# Altium PCB PATHOS_ControllerBoardExp.PcbDoc (part 1 of 4)
Units mm, origin at the board's own origin, x right, y up, seen from the top; angles counter-clockwise.
Board outline 165 x 96 mm, 4 copper layers (Top Layer, Mid-Layer 1, Mid-Layer 2, Bottom Layer), stack 1.642 mm thick; 300 components, 336 nets, 1573 pads, 768 vias.
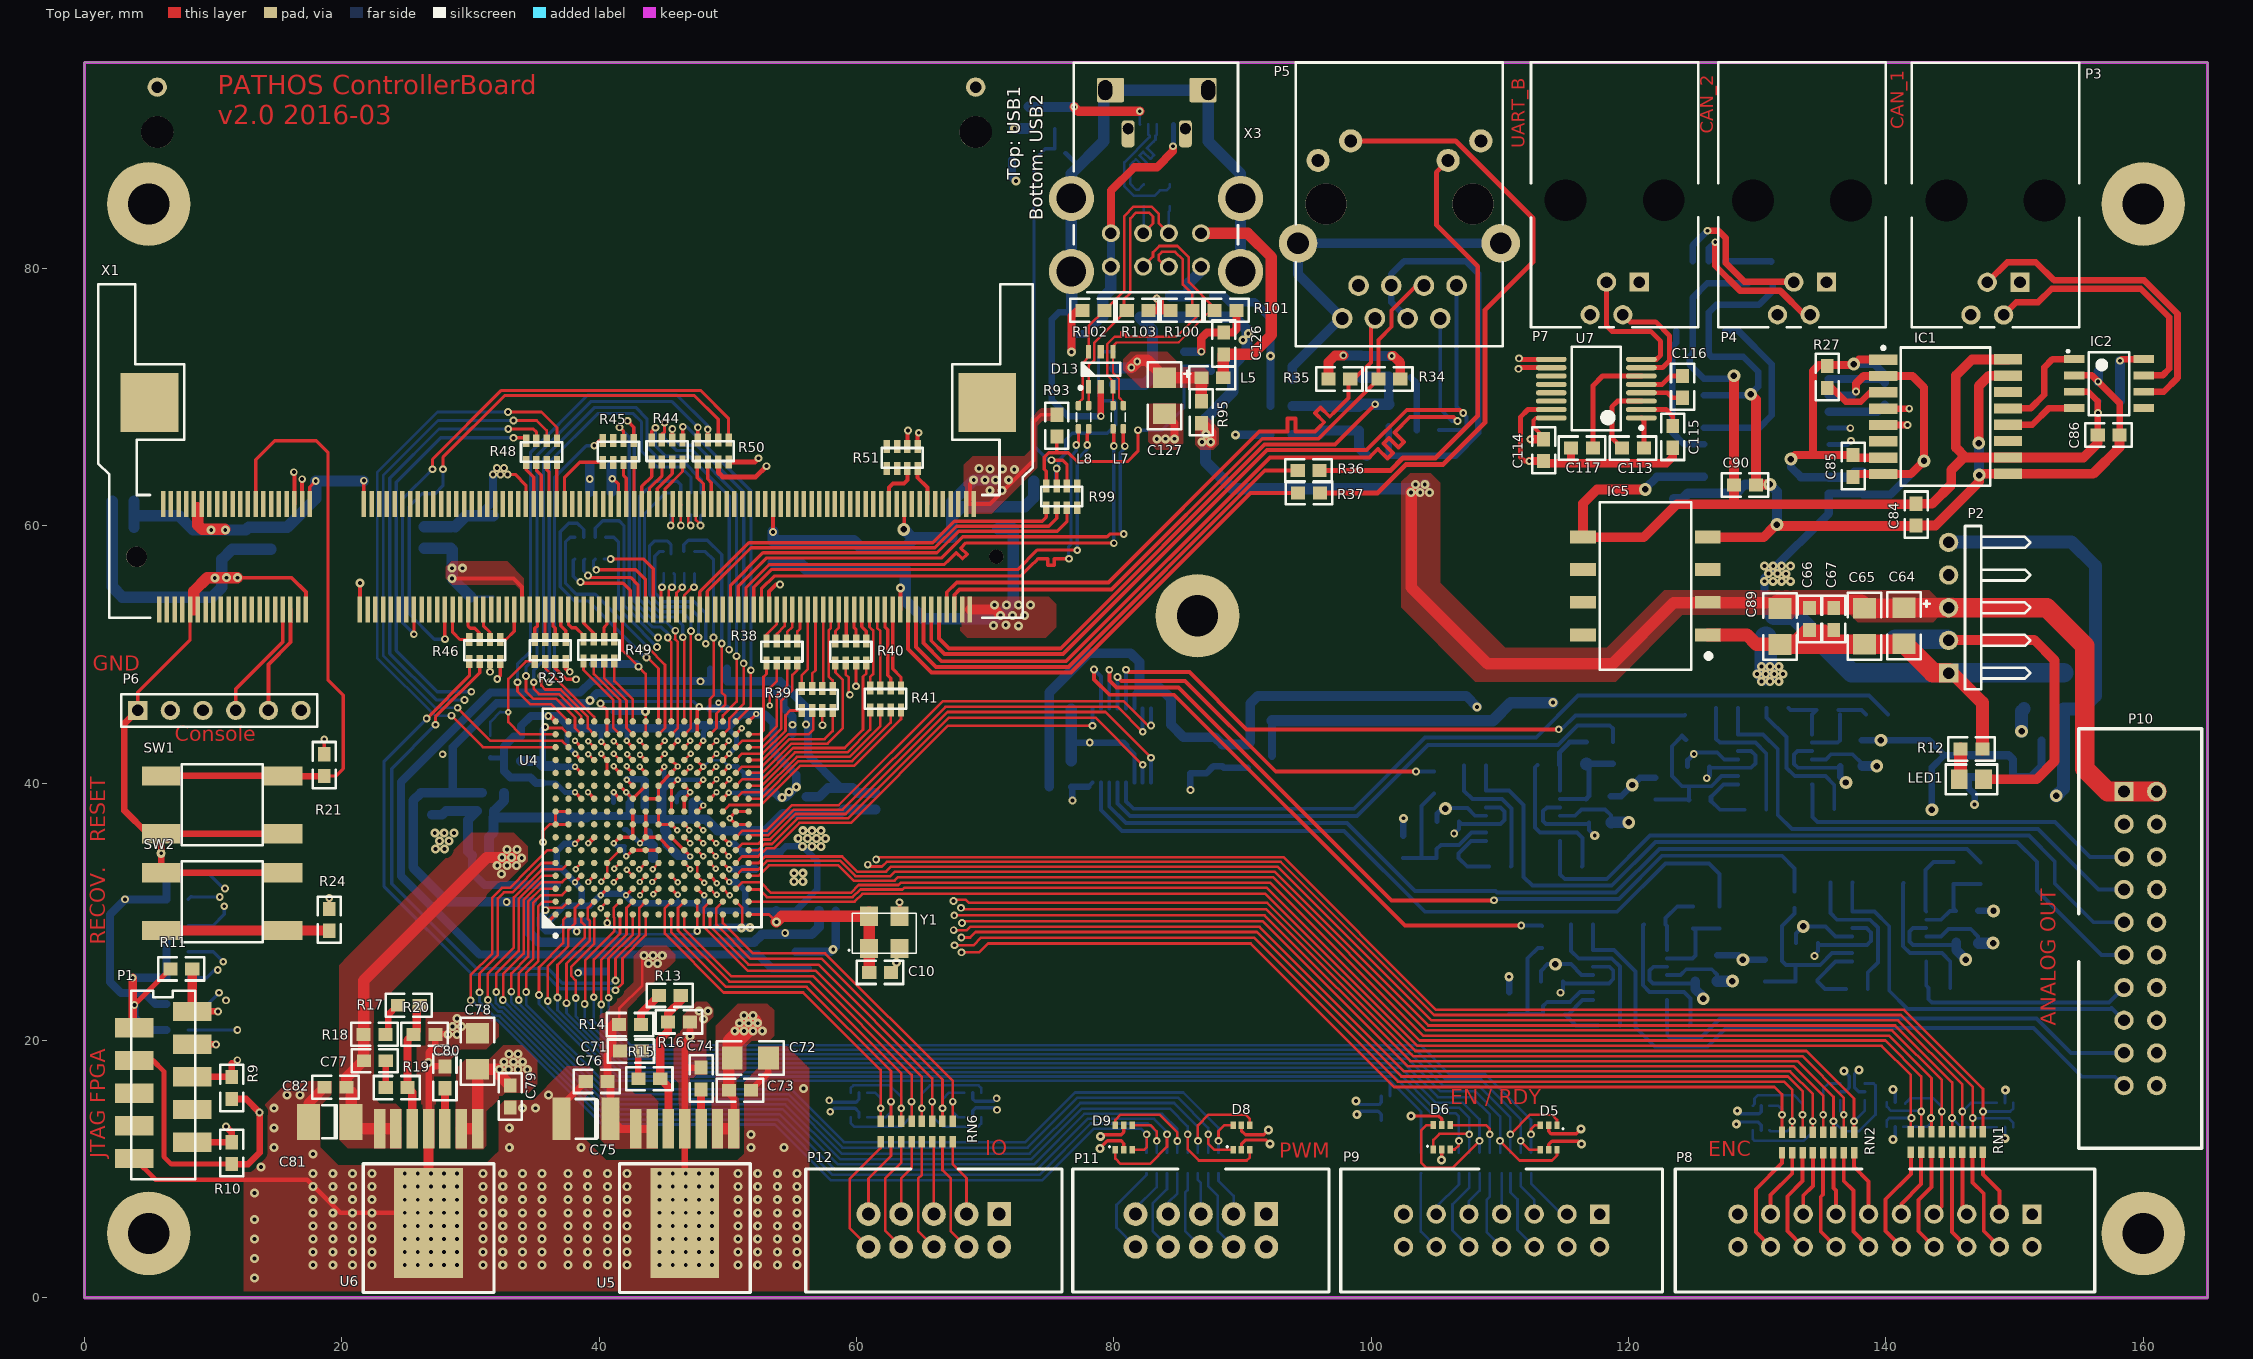
[diagram p0: Top Layer view]
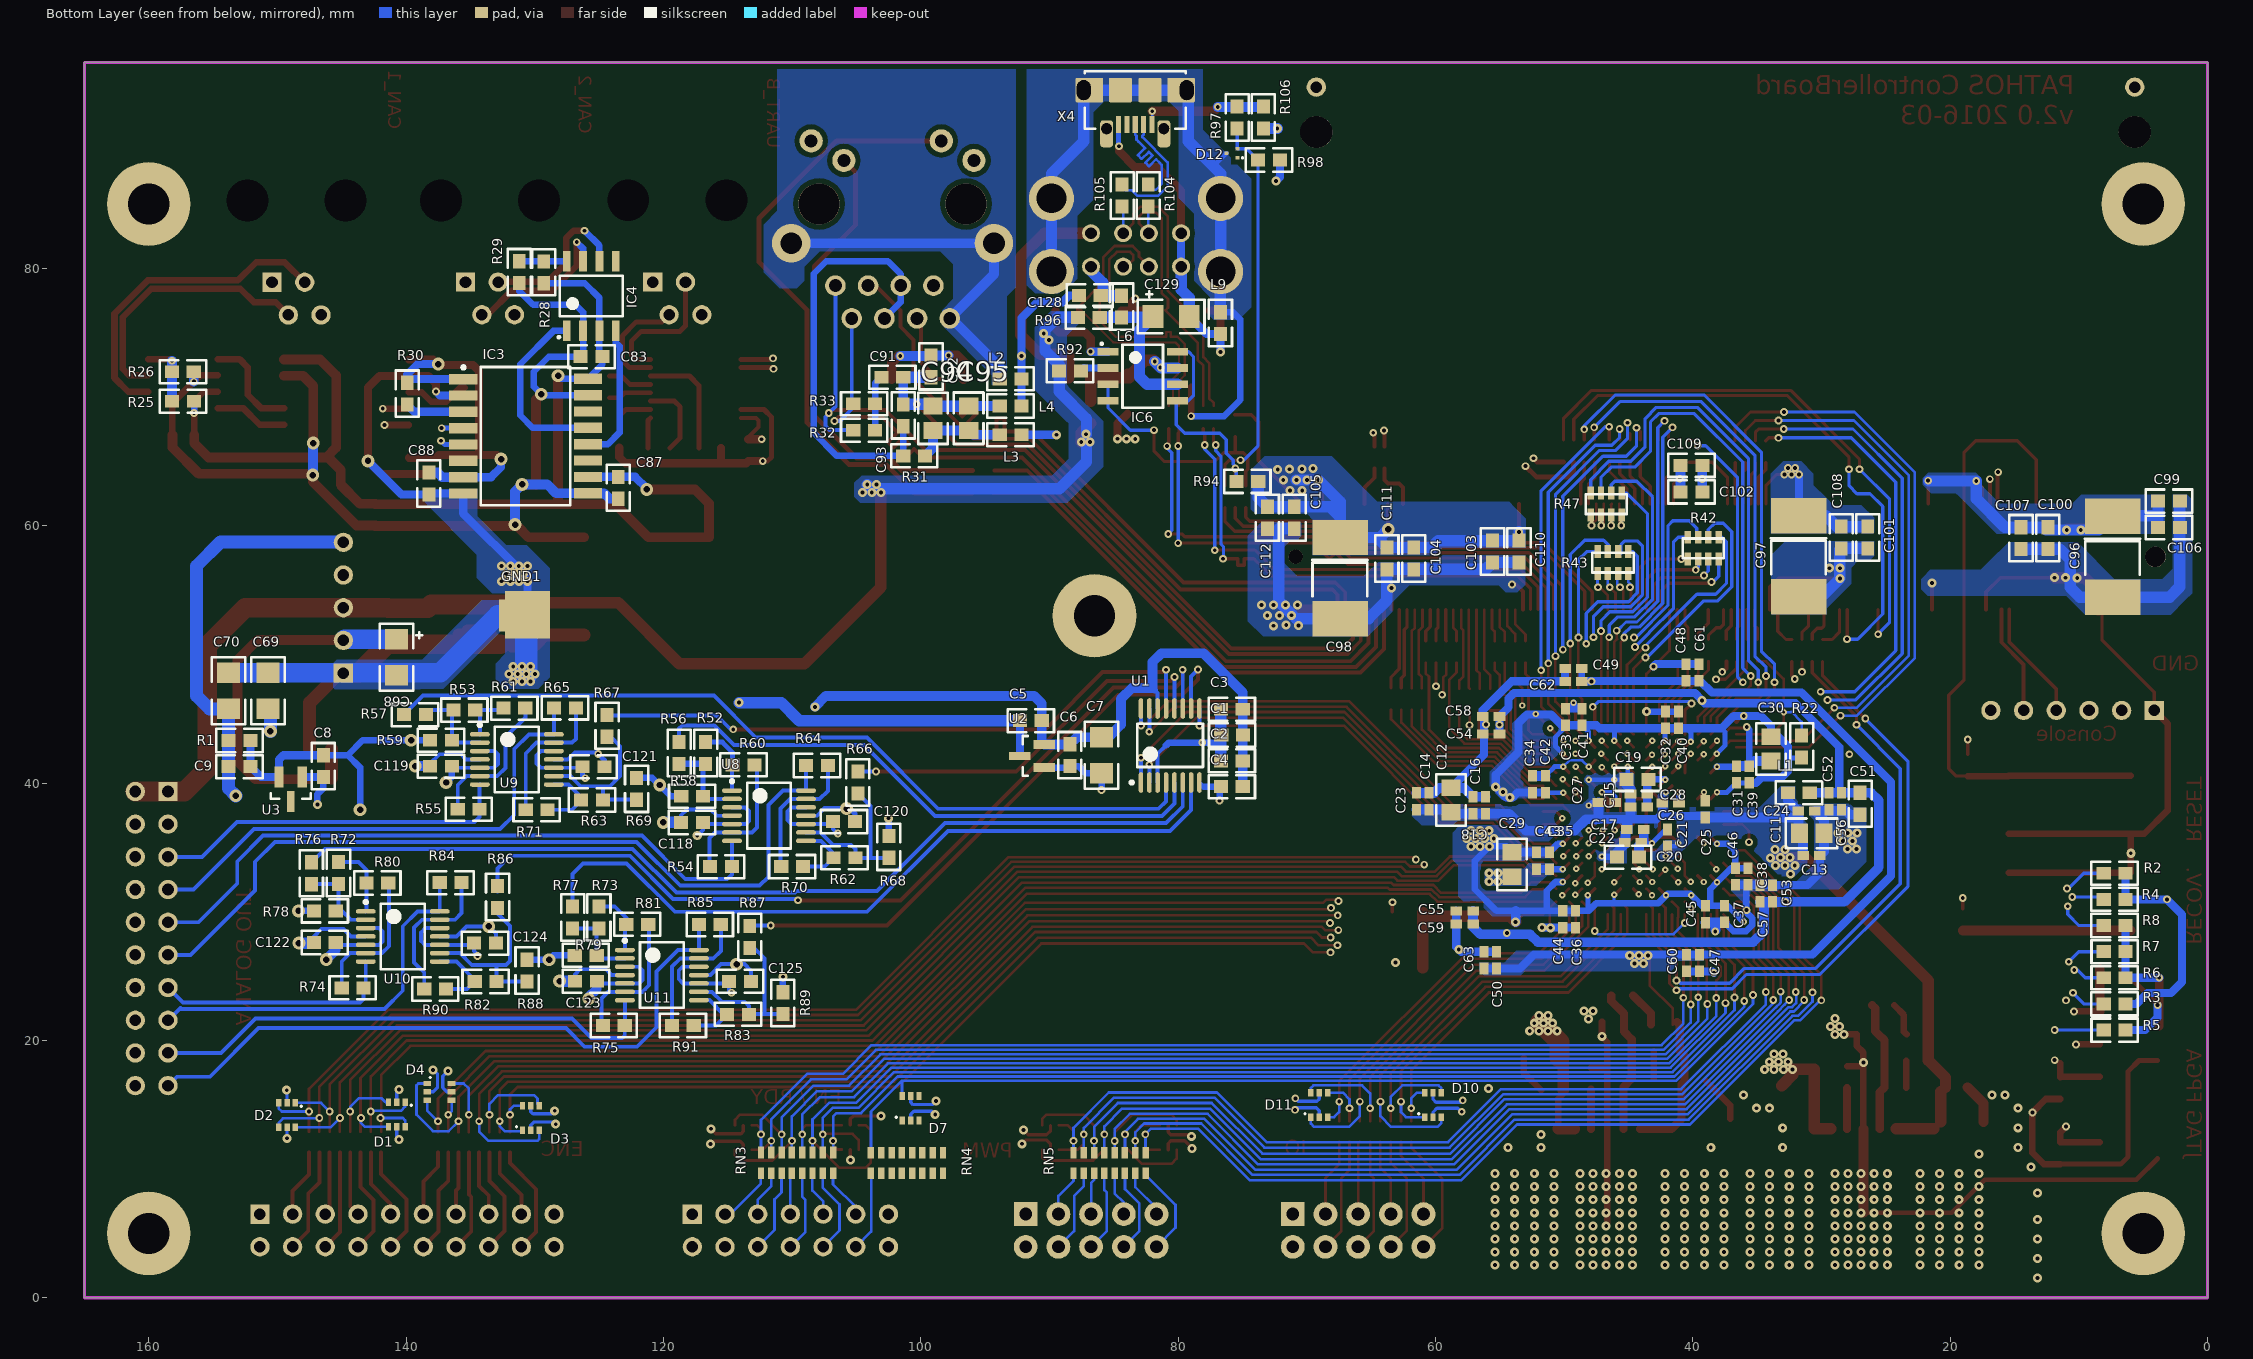
[diagram p1: Bottom Layer view, seen from below]
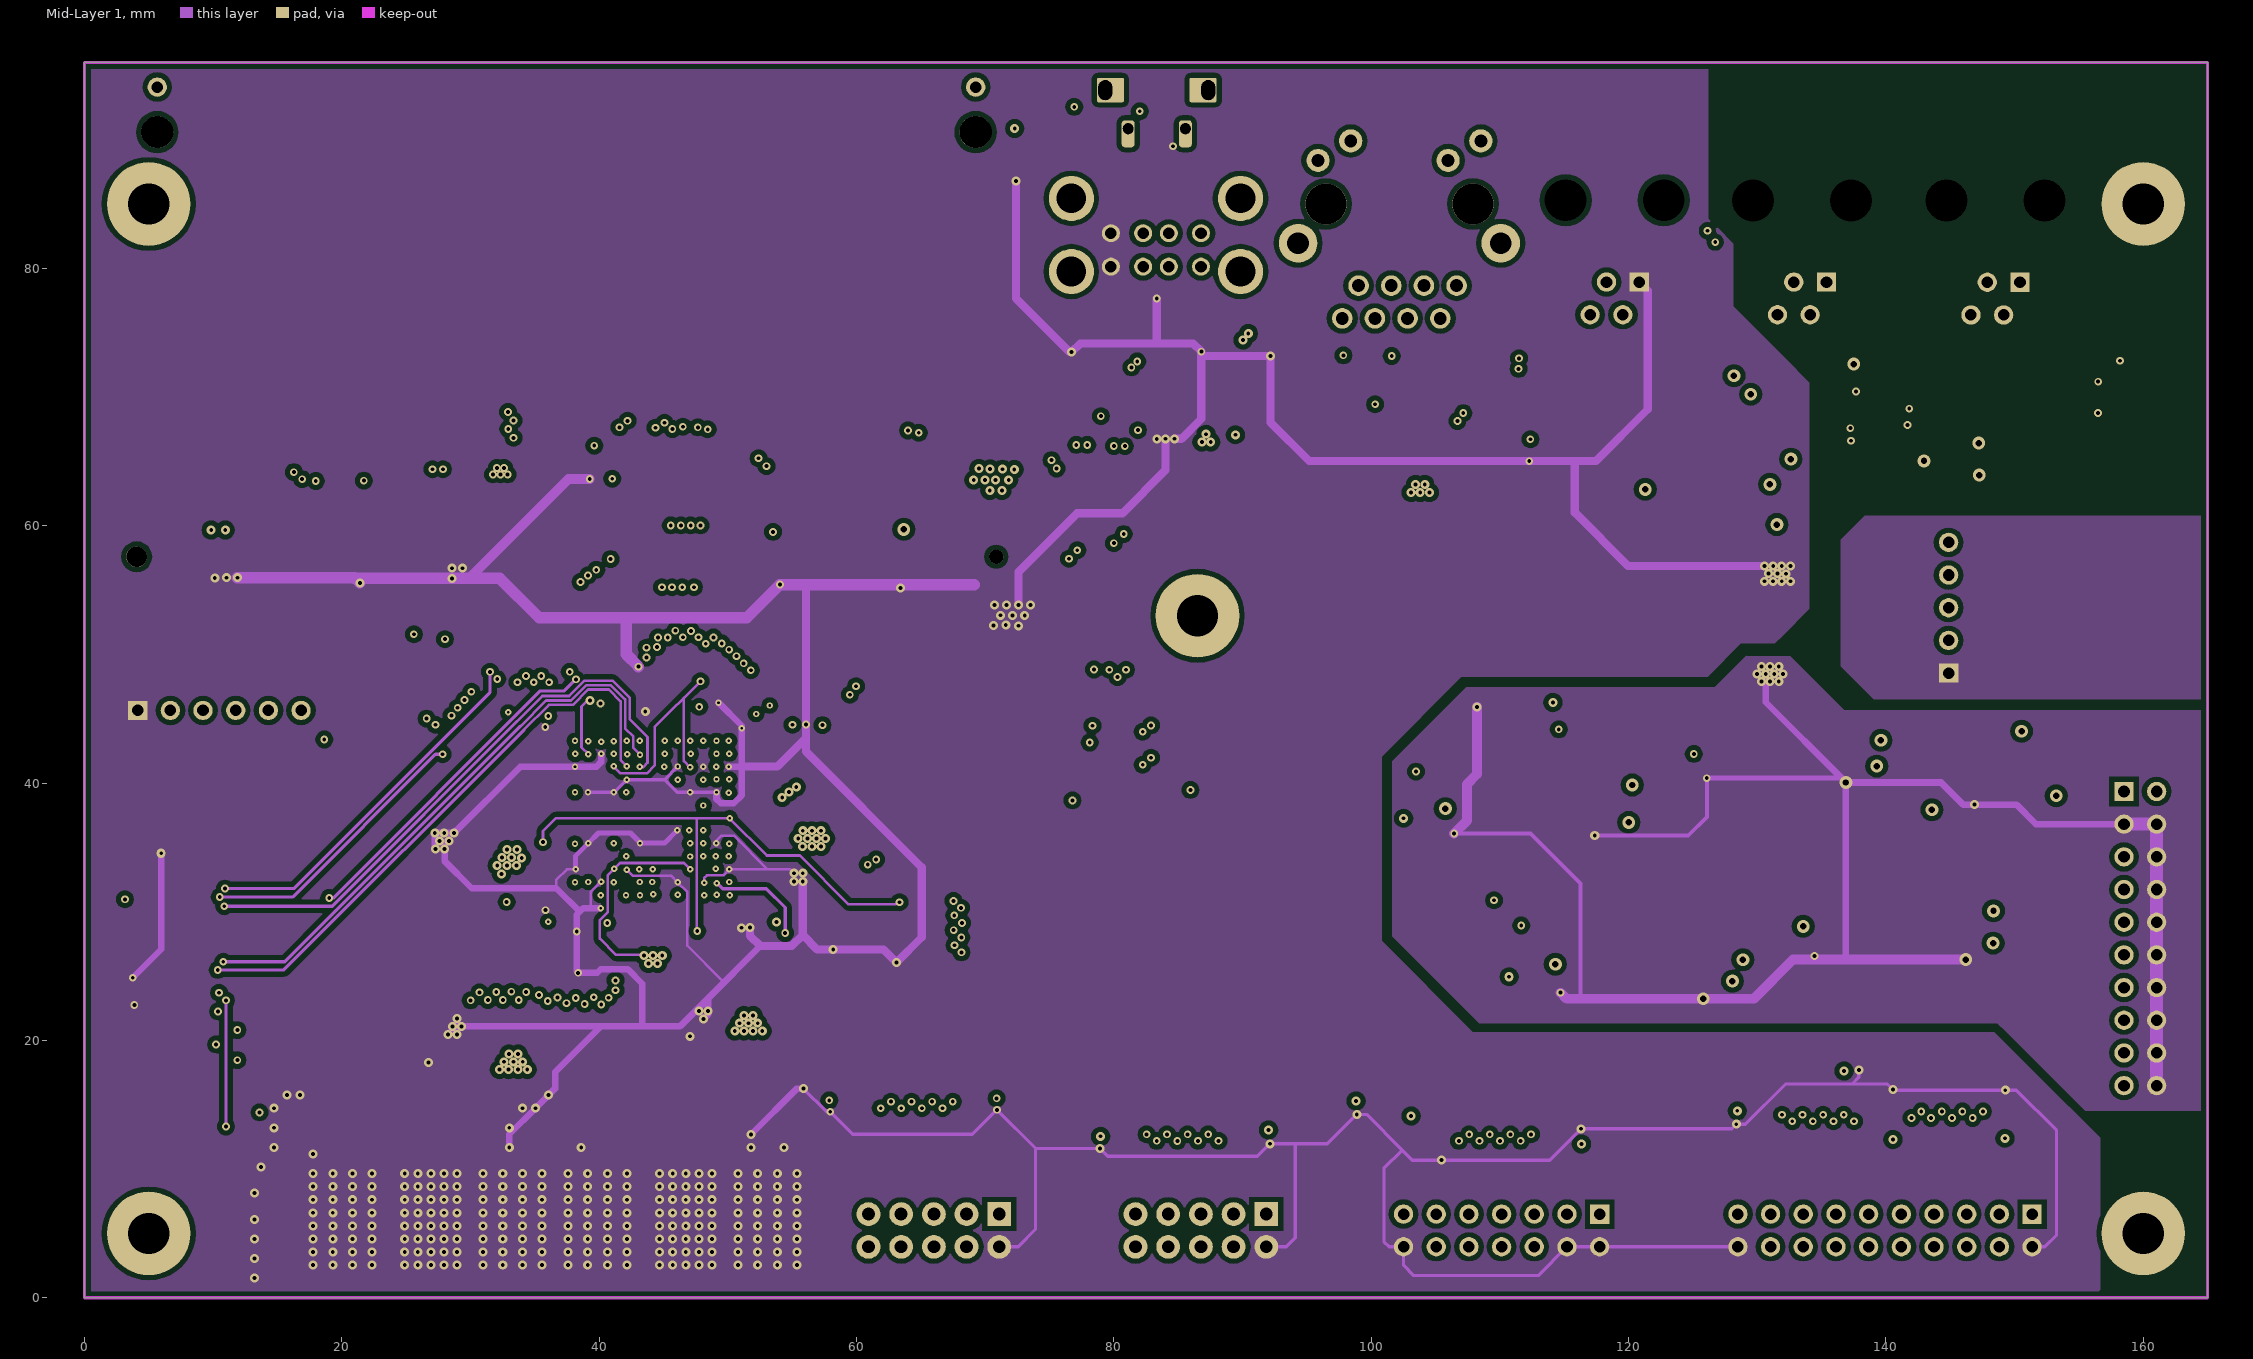
[diagram p2: Mid-Layer 1]
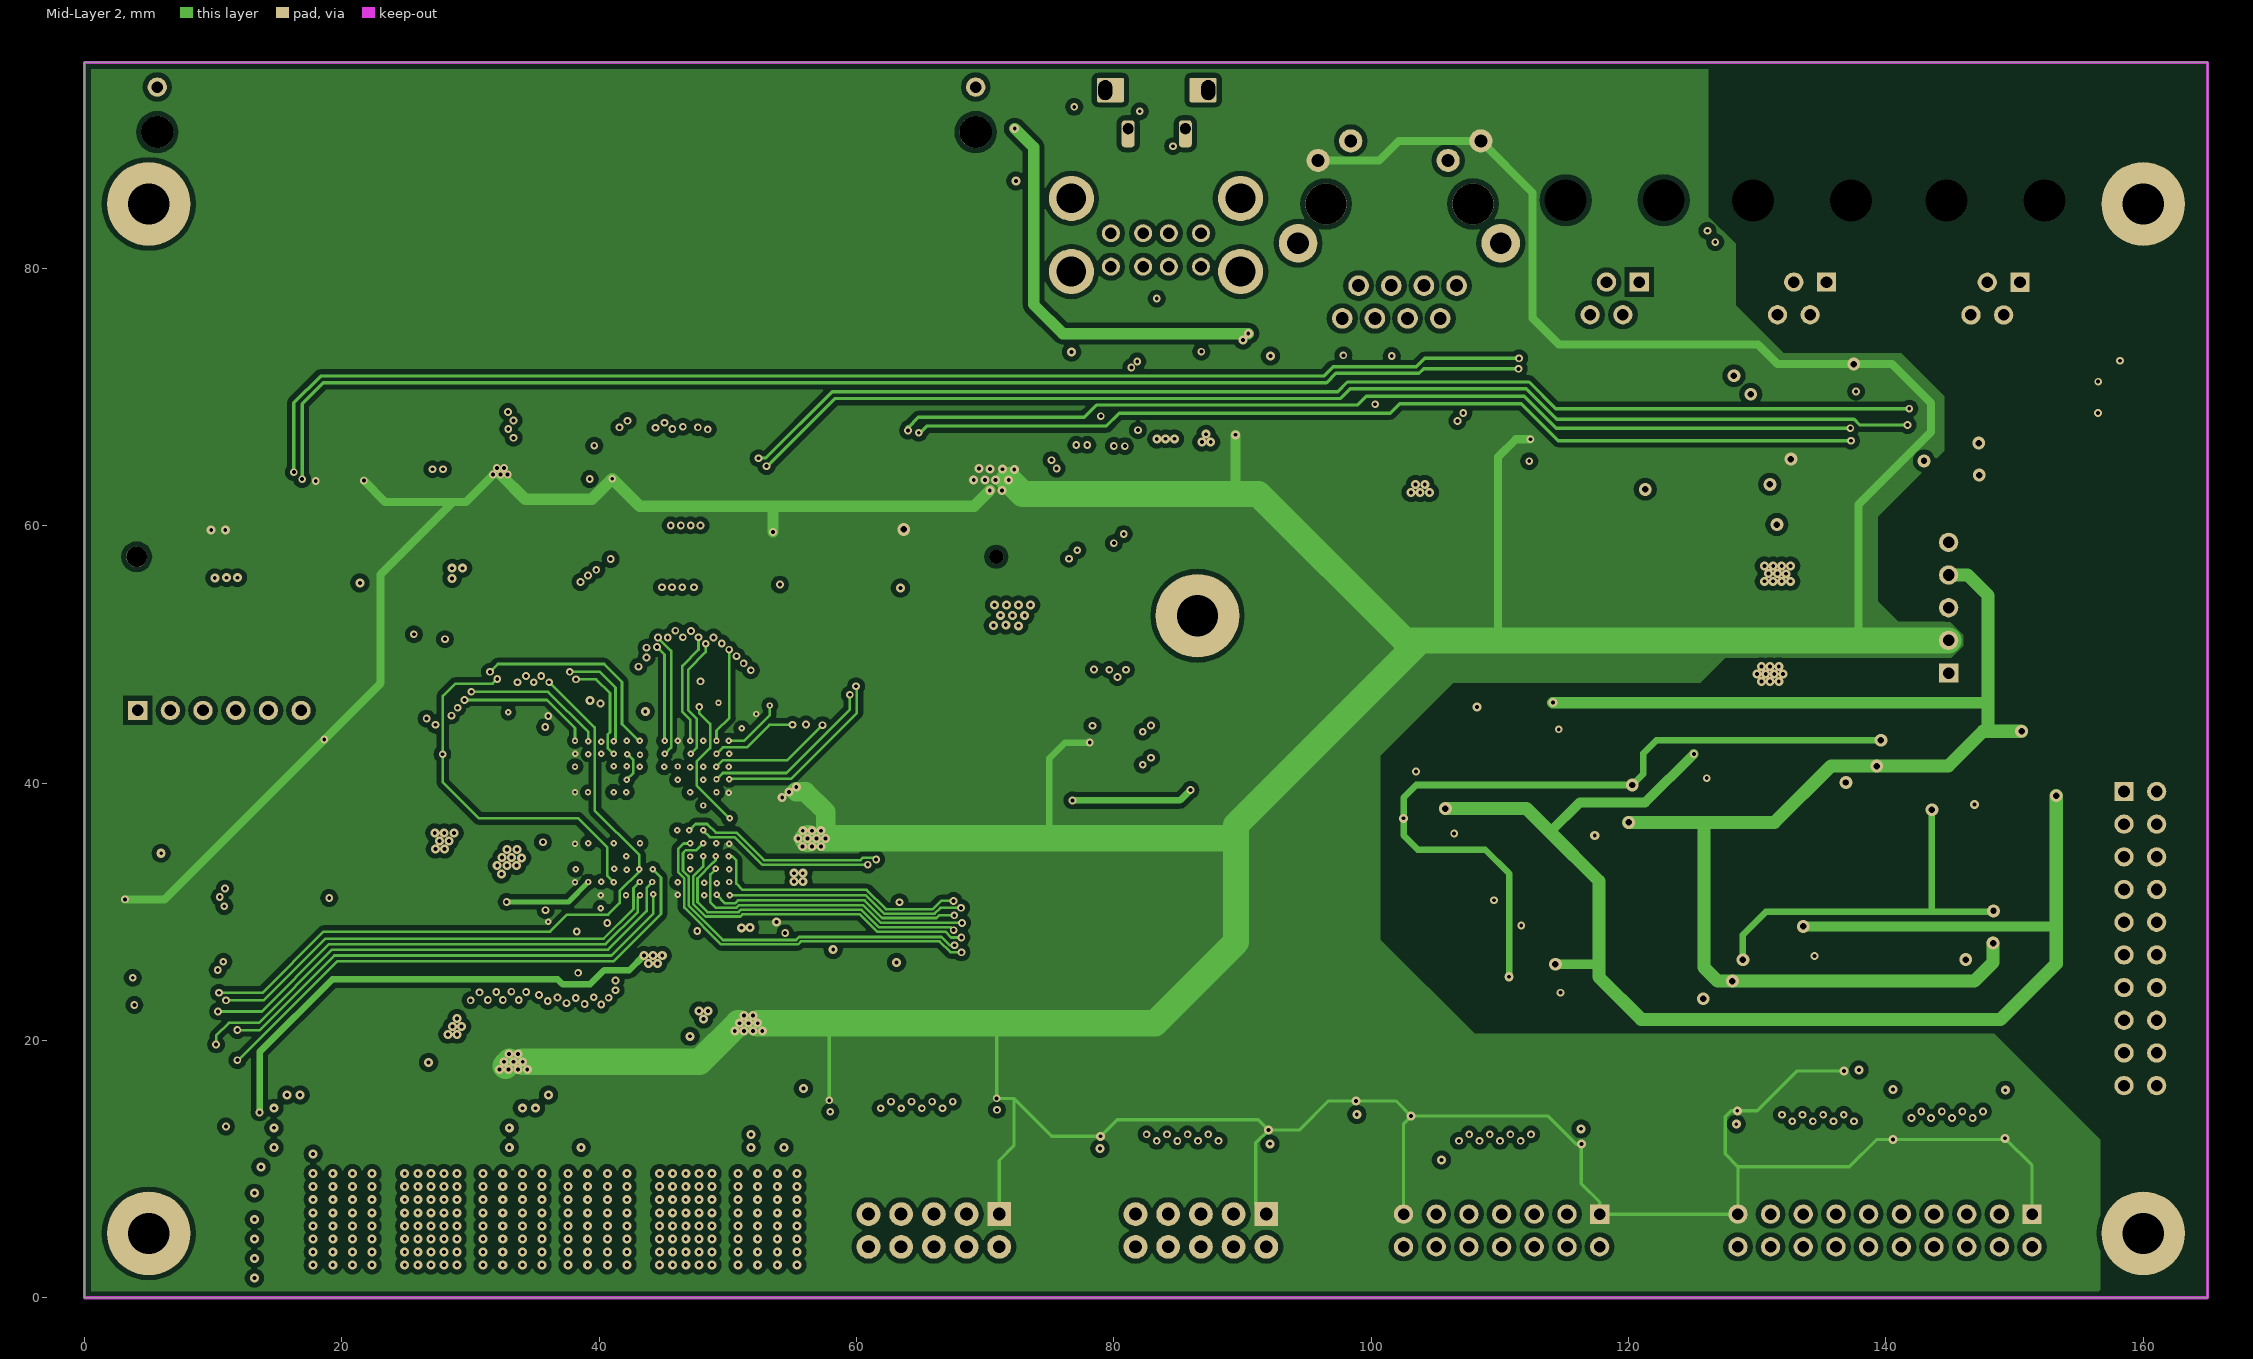
[diagram p3: Mid-Layer 2]

## Layer stack, top to bottom
Top Solder: solder mask 0.0102, Solder Resist, Dk 3.5
Top Layer: signal copper 0.0356
Dielectric1: core 0.5, FR-4, Dk 4.8
Mid-Layer 1: signal copper 0.0356
Dielectric2: prepreg 0.5, FR-4, Dk 4.8
Mid-Layer 2: signal copper 0.0356
Dielectric3: core 0.5, FR-4, Dk 4.8
Bottom Layer: signal copper 0.0356
Bottom Solder: solder mask 0.0102, Solder Resist, Dk 3.5

## Board outline
0,0 165,0 165,96 0,96

## Design rules (kind name [scope] priority, off if disabled: settings)
Clearance PolygonClearence [InPolygon] p1: gap=0.381
Clearance "SOM Clearance" [InComponent('X1')] p2: gap=0.203
Clearance QSBT40-7-F [InComponent('D1') Or InComponent('D2') Or InComponent('D3') Or InComponent('D4') Or InComponent('D5') Or InComponent('D6')] p3: gap=0.203
Clearance MAX3232CDB [InComponent('U10')] p4: gap=0.203
Clearance FPGA [InComponent('U7')] p5: gap=0.14
Clearance [All] p6: gap=0.14
DiffPairsRouting [All] p1: maxlimit=0.254 minlimit=0.254 mostfreqgap=0.254 toplayer_minwidth=0.203 toplayer_maxwidth=0.381 toplayer_prefwidth=0.381 midlayer1_minwidth=0.203 midlayer1_maxwidth=0.381 midlayer1_prefwidth=0.381 midlayer2_minwidth=0.203 midlayer2_maxwidth=0.381 midlayer2_prefwidth=0.381 bottomlayer_minwidth=0.203 bottomlayer_maxwidth=0.381 bottomlayer_prefwidth=0.381 maxuncoupledlength=12.7
HoleSize [All] p1: absolutevalues=TRUE maxlimit=10 minlimit=0.02 maxpercent=80.000 minpercent=20.000
MatchedLengths USB_2 [InNetClass('USB_2')] p1: tolerance=0.254 checknetsindiffpair=TRUE checkdiffpairvsdiffpair=TRUE checkothers=TRUE
MatchedLengths USB_1 [InNetClass('USB_1')] p2: tolerance=0.254 checknetsindiffpair=TRUE checkdiffpairvsdiffpair=TRUE checkothers=TRUE
MatchedLengths USB_D2 [InNetClass('USB_2')] p3: tolerance=0.254 checknetsindiffpair=TRUE checkdiffpairvsdiffpair=TRUE checkothers=TRUE
MatchedLengths USB_D1 [InNetClass('USB_D1')] p4: tolerance=0.254 checknetsindiffpair=TRUE checkdiffpairvsdiffpair=TRUE checkothers=TRUE
MatchedLengths USB_Micro_ClientD1 [InNetClass('USB_CLIENT')] p5: tolerance=0.254 checknetsindiffpair=TRUE checkdiffpairvsdiffpair=TRUE checkothers=TRUE
MatchedLengths ETHRX1 [InNetClass('ETH_RX1')] p6: tolerance=0.254 checknetsindiffpair=TRUE checkdiffpairvsdiffpair=TRUE checkothers=TRUE
MatchedLengths ETHTX0 [InNetClass('ETH_TX0')] p7: tolerance=0.254 checknetsindiffpair=TRUE checkdiffpairvsdiffpair=TRUE checkothers=TRUE
PasteMaskExpansion [All] p1: expansion=0.05
PolygonConnect [All] p1: connectstyle=Direct reliefconductorwidth=0.254 reliefentries=4 polygonreliefangle="90 Angle" airgapwidth=0.254
RoutingVias [All] p1: holewidth=0.5 width=1 viastyle="Through Hole" minholewidth=0.2 minwidth=0.5 maxholewidth=0.5 maxwidth=1
SolderMaskExpansion [All] p1: expansion=0.05
Width USB [(InNetClass('USB_D2') OR InNetClass('USB_D1'))] p1: maxlimit=0.762 minlimit=0.178 preferedwidth=0.254 minimp=50.000000 maximp=50.000000 favimp=50.000000
Width [All] p2: maxlimit=5.08 minlimit=0.203 preferedwidth=0.254 minimp=50.000000 maximp=50.000000 favimp=50.000000
27 further rules are at their usual default settings.

## Classes and differential pairs
net class USB_HOST[0..3]: USB_HOST0 USB_HOST1 USB_HOST2 USB_HOST3
net class USB_CTRL[0..2]: USB_CTRL0 USB_CTRL1 USB_CTRL2
component class "SOM USB": C126 C127 C128 C129 D12 D13 IC6 L5 L6 L7 L8 L9 R92 R93 R94 R95 R96 R97 R98 R99 R100 R101 R102 R103 R104 R105 R106 X3 X4
component class "AnalogOut Level Shifter": C118 C119 C120 C121 C122 C123 C124 C125 R52 R53 R54 R55 R56 R57 R58 R59 R60 R61 R62 R63 R64 R65 R66 R67 R68 R69 R70 R71 R72 R73 R74 R75 R76 R77 R78 R79 R80 R81 R82 R83 R84 R85 R86 R87 R88 R89 R90 R91 U8 U9 U10 U11
net class MI.DATA[0..15]: MI.DATA0 MI.DATA1 MI.DATA2 MI.DATA3 MI.DATA4 MI.DATA5 MI.DATA6 MI.DATA7 MI.DATA8 MI.DATA9 MI.DATA10 MI.DATA11 MI.DATA12 MI.DATA13 MI.DATA14 MI.DATA15
net class MI.ADDR[0..15]: MI.ADDR0 MI.ADDR1 MI.ADDR2 MI.ADDR3 MI.ADDR4 MI.ADDR5 MI.ADDR6 MI.ADDR7 MI.ADDR8 MI.ADDR9 MI.ADDR10 MI.ADDR11 MI.ADDR12 MI.ADDR13 MI.ADDR14 MI.ADDR15
net class ETHERNET[0..6]: ETHERNET0 ETHERNET1 ETHERNET2 ETHERNET3 ETHERNET4 ETHERNET5 ETHERNET6
net class ETH_TX0: ETH_TX0_N ETH_TX0_P
net class ETH_RX1: ETH_RX1_N ETH_RX1_P
component class "SOM UART": C113 C114 C115 C116 C117 P6 P7 U7
component class "SOM IOs": R38 R39 R40 R41 R42 R43 R44 R45 R46 R47 R48 R49 R50 R51
component class "SOM Ethernet": C91 C92 C93 C94 C95 L2 L3 L4 P5 R31 R32 R33 R34 R35 R36 R37
component class "SOM CAN": C83 C84 C85 C86 C87 C88 C89 C90 IC1 IC2 IC3 IC4 IC5 P3 P4 R25 R26 R27 R28 R29 R30
component class "Power Switch": R21 R22 R23 R24 SW1 SW2
component class "Power Supply": C64 C65 C66 C67 C68 C69 C70 C71 C72 C73 C74 C75 C76 C77 C78 C79 C80 C81 C82 LED1 P2 R12 R13 R14 R15 R16 R17 R18 R19 R20 U5 U6
component class "Power Supply FPGA": C11 C12 C13 C14 C15 C16 C17 C18 C19 C20 C21 C22 C23 C24 C25 C26 C27 C28 C29 C30 C31 C32 C33 C34 C35 C36 C37 C38 C39 C40 C41 C42 C43 C44 C45 C46 C47 C48 C49 C50 C51 C52 C53 C54 C55 C56 C57 C58 C59 C60 C61 C62 C63 L1
component class PATHOS_ControllerBoardExp: GND1
component class "IO External": D1 D2 D3 D4 D5 D6 D7 D8 D9 D10 D11 RN1 RN2 RN3 RN4 RN5 RN6
component class "FPGA Config": P1 R2 R3 R4 R5 R6 R7 R8 R9 R10 R11
component class "FPGA Clk": C10 Y1
component class FPGA_IO: U4
component class "Drives Connector": P8 P9 P10 P11 P12
component class "Analog Out": C1 C2 C3 C4 C5 C6 C7 C8 C9 R1 U1 U2 U3
net class USB_1: USB_1_N USB_1_P
net class USB_2: USB_2_N USB_2_P
net class USB_CLIENT: USB_CLIENT_D2_N USB_CLIENT_D2_P
net class USB_D2: USB_D2_N USB_D2_P
net class USB_D1: USB_D1_N USB_D1_P
differential pair USB_CLIENT_D2: +USB_CLIENT_D2_P -USB_CLIENT_D2_N
differential pair USB_D2: +USB_D1_P -USB_D1_N
differential pair USB_D1: +USB_D2_P -USB_D2_N
differential pair USB_2: +USB_1_P -USB_1_N
differential pair USB_1: +USB_2_P -USB_2_N
differential pair ETH_TX0: +ETH_TX0_P -ETH_TX0_N
differential pair ETH_RX1: +ETH_RX1_P -ETH_RX1_N

## Components (designator, comment, footprint, x,y, rotation, side; value= is the part's Value field where it differs from the comment)
C1 "100nF" 0603_3D 76.655,43.732 r180 bottom
C2 "10nF" 0603_3D 76.681,41.725 r180 bottom
C3 "10uF" 0603_3D 76.681,45.738 r180 bottom
C4 "47nF" 0603_3D 76.681,39.719 r180 bottom
C5 "1uF" 0603_3D 90.6,44.849 r0 bottom
C6 "10nF" 0603_3D 88.416,41.319 r90 bottom
C7 "4.7uF" 1206 85.952,40.76 r90 bottom
C8 "100nF" 0603_3D 146.427,42.165 r270 bottom
C9 "100nF" 0603_3D 153.803,41.275 r180 bottom
C10 "100nF" 0603_3D 62.687,25.284 r180 top
C11 "47uF" 0805_3D 29.82,36.093 r0 bottom
C12 "47uF" 0805_3D 58.801,39.624 r270 bottom
C13 "2.2nF" 0402_3D 30.785,34.366 r0 bottom
C14 "2.2nF" 0402_3D 60.503,38.583 r270 bottom
C15 "4.7nF" 0402_3D 44.196,38.151 r0 bottom
C16 "4.7nF" 0402_3D 57.099,38.278 r270 bottom
C17 "10nF" 0402_3D 44.475,36.373 r0 bottom
C18 "10nF" 0402_3D 56.109,38.278 r270 bottom
C19 "470nF" 0603_3D 43.459,40.284 r0 bottom
C20 "470nF" 0603_3D 44.196,34.239 r0 bottom
C21 "100nF" 0402_3D 41.986,35.738 r270 bottom
C22 "100nF" 0402_3D 44.653,35.382 r0 bottom
C23 "100nF" 0402_3D 61.493,38.583 r270 bottom
C24 "100nF" 0402_3D 31.166,37.821 r0 bottom
C25 "100nF" 0402_3D 39.04,37.973 r270 bottom
C26 "100nF" 0402_3D 41.732,38.456 r0 bottom
C27 "100nF" 0402_3D 46.685,38.506 r0 bottom
C28 "100nF" 0402_3D 44.196,39.141 r0 bottom
C29 "47uF" 0805_3D 54.051,32.715 r90 bottom
C30 "47uF" 0805_3D 33.934,41.707 r90 bottom
C31 "100nF" 0402_3D 36.61,40.665 r270 bottom
C32 "100nF" 0402_3D 42.113,44.907 r270 bottom
C33 "100nF" 0402_3D 49.886,45.136 r270 bottom
C34 "100nF" 0402_3D 52.451,39.903 r270 bottom
C35 "100nF" 0402_3D 51.156,33.96 r90 bottom
C36 "100nF" 0402_3D 49.124,29.413 r90 bottom
C37 "100nF" 0402_3D 37.526,29.817 r90 bottom
C38 "100nF" 0402_3D 35.712,32.741 r90 bottom
C39 "10nF" 0402_3D 35.621,40.665 r270 bottom
C40 "10nF" 0402_3D 41.123,44.907 r270 bottom
C41 "10nF" 0402_3D 48.616,45.136 r270 bottom
C42 "10nF" 0402_3D 51.461,39.903 r270 bottom
C43 "10nF" 0402_3D 52.145,33.96 r90 bottom
C44 "10nF" 0402_3D 50.113,29.413 r90 bottom
C45 "10nF" 0402_3D 39.034,29.807 r90 bottom
C46 "10nF" 0402_3D 36.703,32.741 r90 bottom
C47 "100nF" 0402_3D 39.497,26.01 r90 bottom
C48 "100nF" 0402_3D 40.538,48.59 r270 bottom
C49 "100nF" 0402_3D 49.276,48.894 r180 bottom
C50 "100nF" 0402_3D 55.27,26.238 r270 bottom
C51 "10uF" 0603_3D 27,37.541 r90 bottom
C52 "100nF" 0402_3D 29.439,38.583 r90 bottom
C53 "100nF" 0402_3D 33.807,31.42 r270 bottom
C54 "100nF" 0402_3D 55.677,43.815 r180 bottom
C55 "100nF" 0402_3D 57.734,30.073 r180 bottom
C56 "10nF" 0402_3D 28.448,38.583 r90 bottom
C57 "10nF" 0402_3D 34.798,31.42 r270 bottom
C58 "10nF" 0402_3D 55.677,45.187 r180 bottom
C59 "10nF" 0402_3D 57.734,29.058 r180 bottom
C60 "10nF" 0402_3D 40.512,26.01 r90 bottom
C61 "10nF" 0402_3D 39.523,48.59 r270 bottom
C62 "10nF" 0402_3D 49.276,47.904 r180 bottom
C63 "10nF" 0402_3D 56.236,26.238 r270 bottom
C64 "100uF" 1206_Pol 141.404,53.633 r270 top
C65 "10uF" 1206 138.325,50.786 r90 top
C66 "10nF" 0603_3D 134.059,51.892 r90 top
C67 "100nF" 0603_3D 135.951,51.892 r90 top
C68 "100uF" 1206_Pol 140.742,51.181 r270 bottom
C69 "10uF" 1206 150.736,48.575 r270 bottom
C70 "10uF" 1206 153.8,48.569 r270 bottom
C71 "470pF" 0603_3D 41.614,19.171 r0 top
C72 "10uF" 1206 53.162,18.644 r180 top
C73 "47nF" 0603_3D 51.791,16.129 r180 top
C74 "2.7nF" 0603_3D 47.93,17.882 r270 top
C75 "100uF" 1812_Pol 38.989,13.894 r180 top
C76 "47nF" 0603_3D 38.964,16.815 r0 top
C77 "1nF" 0603_3D 21.717,18.415 r0 top
C78 "4.7uF" 1206 30.556,20.549 r270 top
C79 "47nF" 0603_3D 33.096,14.783 r90 top
C80 "2.7nF" 0603_3D 28.016,17.983 r270 top
C81 "220uF" CC-Type-B-3528 19.075,13.665 r180 top
C82 "47nF" 0603_3D 18.669,16.358 r0 top
C83 "100nF" 0603_3D 126.446,73.134 r180 bottom
C84 "100nF" 0603_3D 142.352,60.008 r90 top
C85 "100nF" 0603_3D 137.456,63.796 r90 top
C86 "100nF" 0603_3D 158.157,67.047 r180 top
C87 "100nF" 0603_3D 123.511,62.096 r90 bottom
C88 "100nF" 0603_3D 138.229,62.425 r90 bottom
C89 "4.7uF" 1206 131.776,50.765 r90 top
C90 "1uF" 0603_3D 129.901,63.159 r180 top
C91 "100nF" 0603_3D 101.365,71.535 r0 bottom
C92 "100nF" 0603_3D 99.206,71.535 r90 bottom
C93 "100nF" 0603_3D 101.365,69.427 r270 bottom
C94 "47uF" 0805_3D 99.054,69.295 r270 bottom
C95 "47uF" 0805_3D 96.28,69.3 r270 bottom
C96 "150uF" ChipC_7343-40 7.364,60.746 r270 bottom
C97 "150uF" ChipC_7343-40 31.773,60.771 r270 bottom
C98 "150uF" ChipC_7343-40 67.412,59.08 r270 bottom
C99 "100nF" 0603_3D 2.157,61.914 r0 bottom
C100 "100nF" 0603_3D 12.418,58.181 r90 bottom
C101 "100nF" 0603_3D 26.414,58.231 r90 bottom
C102 "100nF" 0603_3D 39.266,62.626 r0 bottom
C103 "100nF" 0603_3D 55.573,57.139 r90 bottom
C104 "100nF" 0603_3D 61.693,56.606 r90 bottom
C105 "100nF" 0603_3D 70.979,59.767 r90 bottom
C106 "10nF" 0603_3D 2.157,59.857 r0 bottom
C107 "10nF" 0603_3D 14.5,58.181 r90 bottom
C108 "10nF" 0603_3D 28.47,58.231 r90 bottom
C109 "10nF" 0603_3D 39.266,64.683 r0 bottom
C110 "10nF" 0603_3D 53.515,57.139 r90 bottom
C111 "10nF" 0603_3D 63.777,56.606 r90 bottom
C112 "10nF" 0603_3D 73.063,59.767 r90 bottom
C113 "100nF" 0603_3D 119.5,66.03 r0 top
C114 "100nF" 0603_3D 113.404,65.014 r90 top
C115 "100nF" 0603_3D 123.437,66.055 r90 top
C116 "100nF" 0603_3D 124.199,71.643 r270 top
C117 "100nF" 0603_3D 115.538,66.03 r0 top
C118 "100nF" 0603_3D 116.933,36.935 r0 bottom
C119 "100nF" 0603_3D 136.442,41.305 r0 bottom
C120 "100nF" 0603_3D 105.117,37.007 r0 bottom
C121 "100nF" 0603_3D 124.589,41.267 r0 bottom
C122 "100nF" 0603_3D 145.468,27.607 r0 bottom
C123 "100nF" 0603_3D 125.177,24.596 r0 bottom
C124 "100nF" 0603_3D 133.023,27.556 r0 bottom
C125 "100nF" 0603_3D 113.196,24.591 r0 bottom
C126 "100nF" 0603_3D 88.545,75.011 r270 top
C127 "100uF" 1206_Pol 83.947,71.492 r270 top
C128 "100nF" 0603_3D 87.718,77.877 r180 bottom
C129 "100uF" 1206_Pol 81.954,76.245 r180 bottom
D1 "QSBT40-7-F" SOT363 140.716,14.249 r0 bottom